# Altium PCB D73-V1.2 交通灯系统.PcbDoc (part 1 of 3)
Units mm, origin at the board's own origin, x right, y up, seen from the top; angles counter-clockwise.
Board outline 234.25 x 96.25 mm, 2 copper layers (TopLayer, BottomLayer); 84 components, 157 nets, 428 pads, 59 vias.
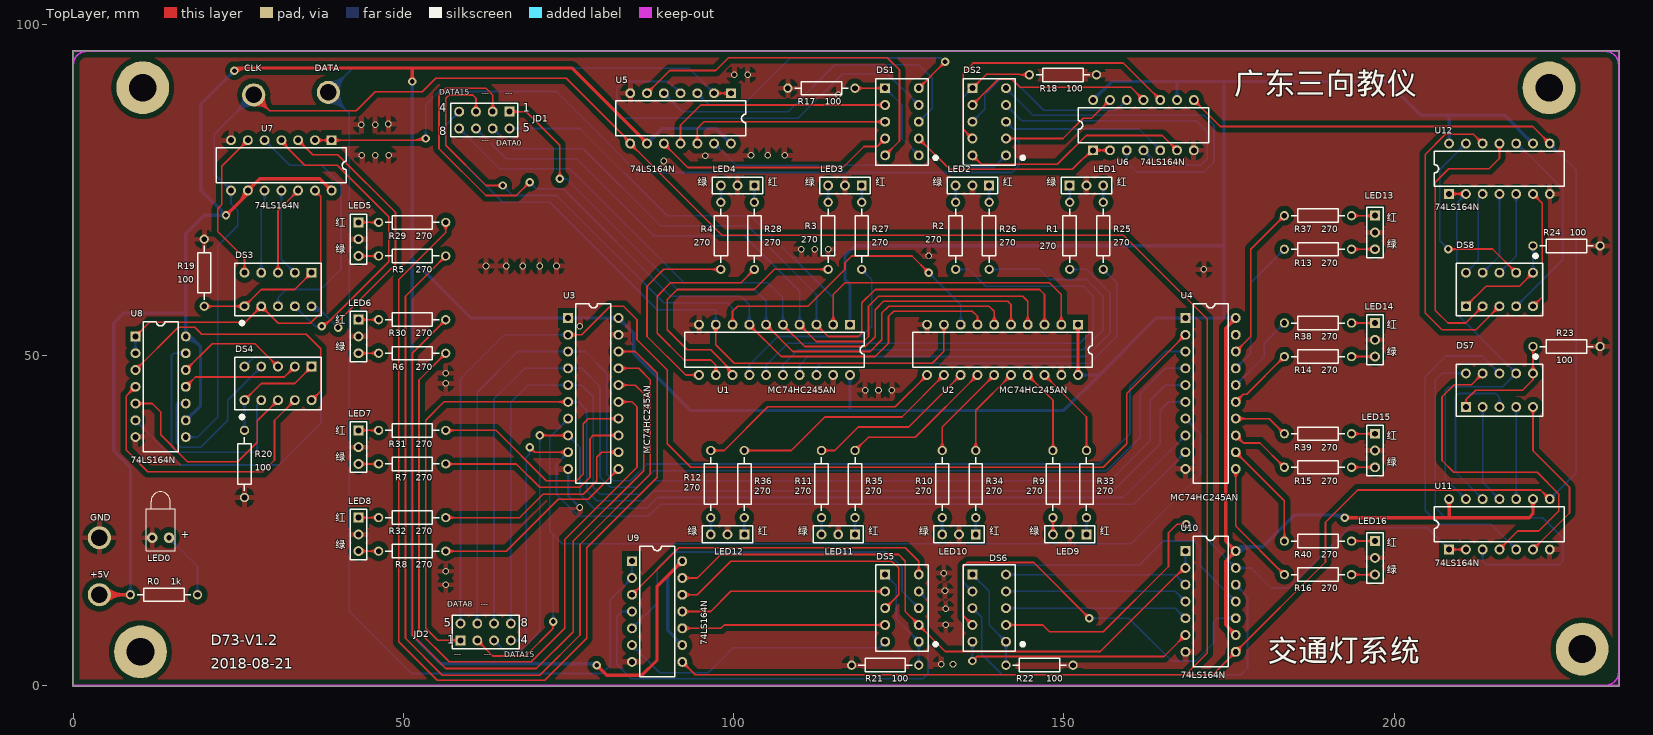
[diagram p0: TopLayer view]
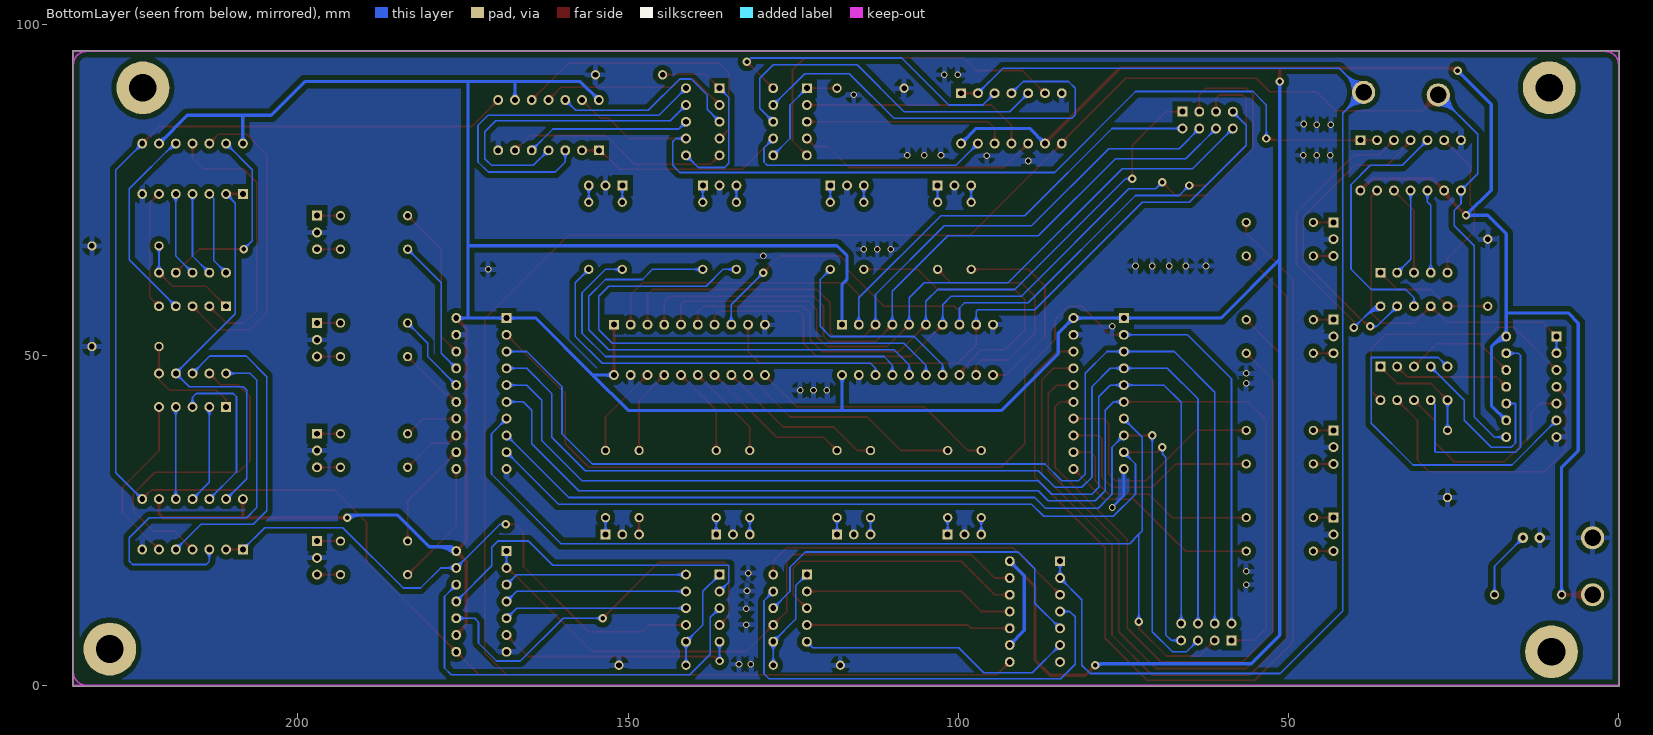
[diagram p1: BottomLayer view, seen from below]

## Layer stack, top to bottom
TopLayer: signal copper 0.0356
Dielectric: dielectric 0.32, FR-4, Dk 4.8
BottomLayer: signal copper 0.0356

## Board outline
-0.127,0 -0.127,96 cw(c0,96) 0,96.127 234,96.127 cw(c234,96) 234.127,96 234.127,0 cw(c234,0) 234,-0.127 0,-0.127 cw(c0,0)

## Design rules (kind name [scope] priority, off if disabled: settings)
Clearance [All] p1: gap=0.4
FabricationTestPointUsage TestPointUsage [All] p1: valid=0 allowmultiple=FALSE
FabricationTestpoint Testpoint [All] p1: side=3 testpointundercomponent=TRUE minsize=1.016 maxsize=2.54 preferedsize=1.524 minholesize=0.508 maxholesize=1.016 preferedholesize=0.813 testpointgrid=0.025 allowsidetop=TRUE allowsidebottom=TRUE usegrid=TRUE gridtolerance=0
PolygonConnect [All] p1: connectstyle=Relief reliefconductorwidth=0.8 reliefentries=4 polygonreliefangle="90 Angle"
RoutingPriority [All] p1: routingpriority=4
RoutingVias [All] p1: holewidth=0.711 width=1.27 viastyle="Through Hole" minholewidth=0.711 minwidth=1.27 maxholewidth=0.711 maxwidth=1.27
SilkscreenOverComponentPads [All] p1: minsilkscreentomaskgap=0.254
SolderMaskExpansion [All] p1: expansion=0.102
Width Width_2 [InNet('GND')] p1: maxlimit=5 minlimit=0.354 preferedwidth=0.8
Width Width_1 [InNet('VCC')] p2: maxlimit=5 minlimit=0.354 preferedwidth=0.5
Width [All] p3: maxlimit=1 minlimit=0.254 preferedwidth=0.254
24 further rules are at their usual default settings.

## Classes and differential pairs
net class "New Class": DAT0 DAT1 DAT2 DAT3 DAT4 DAT5 DAT6 DAT7 DAT8 DAT9 DAT10 DAT11 DAT12 DAT13 DAT14 DAT15 NetCLK_1 NetDATA_1 NetDS1_1 NetDS1_2 NetDS1_3 NetDS1_4 NetDS1_5 NetDS1_7 NetDS1_8 NetDS1_9 NetDS1_10 NetDS2_1 NetDS2_2 NetDS2_3 NetDS2_4 NetDS2_5 NetDS2_7 NetDS2_8 NetDS2_9 NetDS2_10 NetDS3_1 NetDS3_2 NetDS3_3 NetDS3_4 NetDS3_5 NetDS3_7 NetDS3_8 NetDS3_9 NetDS3_10 NetDS4_1 NetDS4_2 NetDS4_3 NetDS4_4 NetDS4_5 NetDS4_7 NetDS4_8 NetDS4_9 NetDS4_10 NetDS5_1 NetDS5_2 NetDS5_3 NetDS5_4 NetDS5_5 NetDS5_7 NetDS5_8 NetDS5_9 NetDS5_10 NetDS6_1 NetDS6_2 NetDS6_3 NetDS6_4 NetDS6_5 NetDS6_7 NetDS6_8 NetDS6_9 NetDS6_10 NetDS7_1 NetDS7_2 NetDS7_3 NetDS7_4 NetDS7_5 NetDS7_7 NetDS7_8 NetDS7_9 NetDS7_10 NetDS8_1 NetDS8_2 NetDS8_3 NetDS8_4 NetDS8_5 NetDS8_7 NetDS8_8 NetDS8_9 NetDS8_10 NetLED0_1 NetLED1_1 NetLED1_3 NetLED2_1 NetLED2_3 NetLED3_1 NetLED3_3 NetLED4_1 NetLED4_3 NetLED5_1 NetLED5_3 NetLED6_1 NetLED6_3 NetLED7_1 NetLED7_3 NetLED8_1 NetLED8_3 NetLED9_1 NetLED9_3 NetLED10_1 NetLED10_3 NetLED11_1 NetLED11_3 NetLED12_1 NetLED12_3 NetLED13_1 NetLED13_3 NetLED14_1 NetLED14_3 NetLED15_1 NetLED15_3 NetLED16_1 NetLED16_3 NetR1_1 NetR2_1 NetR3_1 NetR4_1 NetR5_1 NetR6_1 NetR7_1 NetR8_1 NetR9_1 NetR10_1 NetR11_1 NetR12_1 NetR13_1 NetR14_1 NetR15_1 NetR16_1 NetR25_1 NetR26_1 NetR27_1 NetR28_1 NetR29_2 NetR30_2 NetR31_2 NetR32_2 NetR33_1 NetR34_1 NetR35_1 NetR36_1 NetR37_1 NetR38_1 NetR39_1 NetR40_1 VCC
net class POWER: GND VCC
component class traffic: +5V CLK DATA DS1 DS2 DS3 DS4 DS5 DS6 DS7 DS8 GND JD1 JD2 LED0 LED1 LED2 LED3 LED4 LED5 LED6 LED7 LED8 LED9 LED10 LED11 LED12 LED13 LED14 LED15 LED16 R0 R1 R2 R3 R4 R5 R6 R7 R8 R9 R10 R11 R12 R13 R14 R15 R16 R17 R18 R19 R20 R21 R22 R23 R24 U1 U2 U3 U4 U5 U6 U7 U8 U9 U10 U11 U12

## Components (designator, comment, footprint, x,y, rotation, side; value= is the part's Value field where it differs from the comment)
+5V "DZ" DZ 4.064,13.716 r0 top (schematic designator +5)
CLK "DZ" DZ 27.432,89.408 r0 top
DATA "DZ" DZ 38.608,89.916 r90 top
DS1 "Dpy Red-CA" LEDDIP-10 125.476,85.344 r0 top
DS2 "Dpy Red-CA" LEDDIP-10 138.684,85.344 r0 top
DS3 "Dpy Red-CA" LEDDIP-10 30.988,59.944 r270 top
DS4 "Dpy Red-CA" LEDDIP-10 30.988,45.72 r270 top
DS5 "Dpy Red-CA" LEDDIP-10 125.476,11.684 r0 top
DS6 "Dpy Red-CA" LEDDIP-10 138.684,11.684 r0 top
DS7 "Dpy Red-CA" LEDDIP-10 215.954,44.704 r90 top
DS8 "Dpy Red-CA" LEDDIP-10 215.954,59.944 r90 top
GND "DZ" DZ 4.064,22.352 r0 top
JD1 "Header 4X2A" HDR2X4_CEN 66.04,86.868 r180 top
JD2 "Header 4X2A" HDR2X4_CEN 58.623,6.807 r0 top
LED0 "LED1" LED-1 13.208,22.352 r90 top
LED1 "LED0" HDR1X3 150.876,75.692 r0 top
LED2 "LED0" HDR1X3 138.684,75.692 r180 top
LED3 "LED0" HDR1X3 119.38,75.692 r180 top
LED4 "LED0" HDR1X3 103.124,75.692 r180 top
LED5 "LED0" HDR1X3 43.18,70.104 r270 top
LED6 "LED0" HDR1X3 43.18,55.372 r270 top
LED7 "LED0" HDR1X3 43.18,38.608 r270 top
LED8 "LED0" HDR1X3 43.18,25.4 r270 top
LED9 "LED0" HDR1X3 153.416,22.86 r180 top
LED10 "LED0" HDR1X3 136.652,22.86 r180 top
LED11 "LED0" HDR1X3 118.364,22.86 r180 top
LED12 "LED0" HDR1X3 101.6,22.86 r180 top
LED13 "LED0" HDR1X3 197.104,71.12 r270 top
LED14 "LED0" HDR1X3 197.104,54.864 r270 top
LED15 "LED0" HDR1X3 197.104,38.1 r270 top
LED16 "LED0" HDR1X3 197.104,21.844 r270 top
R0 "1k" AXIAL-0.4 13.716,13.716 r0 top
R1 "270" AXIAL-0.4 150.876,68.072 r90 top
R2 "270" AXIAL-0.4 133.604,68.072 r90 top
R3 "270" AXIAL-0.4 114.3,68.072 r90 top
R4 "270" AXIAL-0.4 98.044,68.072 r90 top
R5 "270" AXIAL-0.4 51.308,65.024 r180 top
R6 "270" AXIAL-0.4 51.308,50.292 r180 top
R7 "270" AXIAL-0.4 51.308,33.528 r180 top
R8 "270" AXIAL-0.4 51.308,20.32 r180 top
R9 "270" AXIAL-0.4 148.336,30.48 r270 top
R10 "270" AXIAL-0.4 131.572,30.48 r270 top
R11 "270" AXIAL-0.4 113.284,30.48 r270 top
R12 "270" AXIAL-0.4 96.52,30.48 r270 top
R13 "270" AXIAL-0.4 188.468,66.04 r0 top
R14 "270" AXIAL-0.4 188.468,49.784 r0 top
R15 "270" AXIAL-0.4 188.468,33.02 r0 top
R16 "270" AXIAL-0.4 188.468,16.764 r0 top
R17 "100" AXIAL-0.4 113.284,90.424 r180 top
R18 "100" AXIAL-0.4 149.86,92.456 r0 top
R19 "100" AXIAL-0.4 19.812,62.484 r90 top
R20 "100" AXIAL-0.4 25.908,33.528 r270 top
R21 "100" AXIAL-0.4 122.936,3.048 r180 top
R22 "100" AXIAL-0.4 146.304,3.048 r0 top
R23 "100" AXIAL-0.4 226.114,51.308 r0 top
R24 "100" AXIAL-0.4 226.114,66.548 r0 top
R25 "270" AXIAL-0.4 155.956,68.072 r90 top (schematic designator R4)
R26 "270" AXIAL-0.4 138.684,68.072 r90 top (schematic designator R4)
R27 "270" AXIAL-0.4 119.38,68.072 r90 top (schematic designator R4)
R28 "270" AXIAL-0.4 103.124,68.072 r90 top (schematic designator R4)
R29 "270" AXIAL-0.4 51.308,70.104 r0 top (schematic designator R13)
R30 "270" AXIAL-0.4 51.308,55.372 r0 top (schematic designator R13)
R31 "270" AXIAL-0.4 51.308,38.608 r0 top (schematic designator R13)
R32 "270" AXIAL-0.4 51.308,25.4 r0 top (schematic designator R13)
R33 "270" AXIAL-0.4 153.416,30.48 r270 top (schematic designator R9)
R34 "270" AXIAL-0.4 136.652,30.48 r270 top (schematic designator R9)
R35 "270" AXIAL-0.4 118.364,30.48 r270 top (schematic designator R9)
R36 "270" AXIAL-0.4 101.6,30.48 r270 top (schematic designator R9)
R37 "270" AXIAL-0.4 188.468,71.12 r0 top (schematic designator R13)
R38 "270" AXIAL-0.4 188.468,54.864 r0 top (schematic designator R13)
R39 "270" AXIAL-0.4 188.468,38.1 r0 top (schematic designator R13)
R40 "270" AXIAL-0.4 188.468,21.844 r0 top (schematic designator R13)
U1 "MC74HC245AN" 738-03 106.172,50.8 r180 top
U2 "MC74HC245AN" 738-03 140.716,50.8 r180 top
U3 "MC74HC245AN" 738-03 78.74,44.196 r270 top
U4 "MC74HC245AN" 738-03 172.212,44.196 r270 top
U5 "74LS164N" N14A 91.948,85.852 r180 top
U6 "74LS164N" N14A 162.052,84.836 r0 top
U7 "74LS164N" N14A 31.496,78.74 r180 top
U8 "74LS164N" N14A 13.208,45.212 r270 top
U9 "74LS164N" N14A 88.392,11.176 r270 top
U10 "74LS164N" N14A 172.212,12.7 r270 top
U11 "74LS164N" N14A 215.954,24.384 r0 top
U12 "74LS164N" N14A 215.954,78.232 r0 top

## Footprints (in the part's own frame and the unit in brackets; to place one, negate y for a bottom-side part, rotate by r counter-clockwise, add the part's x,y. Pads: shape width x height; smd on the part's side, far side on the other; paste and mask are expansions set on the pad)
738-03 [mm] "DIP; 20 Leads; Row Spacing 7.62 mm; Pitch 2.54 mm"
  rect 1.5x1.5 hole 0.9: 1(-11.43,-3.81)
  round 1.5 hole 0.9: 2(-8.89,-3.81) 3(-6.35,-3.81) 4(-3.81,-3.81) 5(-1.27,-3.81) 6(1.27,-3.81) 7(3.81,-3.81) 8(6.35,-3.81) 9(8.89,-3.81) 10(11.43,-3.81) 11(11.43,3.81) 12(8.89,3.81) 13(6.35,3.81) 14(3.81,3.81) 15(1.27,3.81) 16(-1.27,3.81) 17(-3.81,3.81) 18(-6.35,3.81) 19(-8.89,3.81) 20(-11.43,3.81)
  silkscreen extent -13.6,-2.65 13.6,2.65
AXIAL-0.4 [mm] "Resistor; 2 Leads"
  round 1.4 hole 0.85: 1(-5.08,0) 2(5.08,0)
  silkscreen extent -4.06,-1.02 4.06,1.02
DZ [mm] "DZ"
  round 3.5 hole 2.5: 1(-0.127,0)
HDR1X3 [mm] "Connector; Header; 3 Position"
  rect 1.5x1.5 hole 0.9: 1(0,0)
  round 1.5 hole 0.9: 2(2.54,0) 3(5.08,0)
  silkscreen extent -1.27,-1.27 6.35,1.27
HDR2X4_CEN [mm] "Connector; Header; 4x2 Position"
  rect 1.5x1.5 hole 0.9: 1(0,0)
  round 1.5 hole 0.9: 2(2.54,0) 3(5.08,0) 4(7.62,0) 5(0,2.54) 6(2.54,2.54) 7(5.08,2.54) 8(7.62,2.54)
  silkscreen extent -1.27,-1.27 8.89,3.81
LED-1 [mm] "Typical RED GaAs LED; 2 Leads"
  round 1.6 hole 0.8: 1(0,-1.27) 2(0,1.27)
  silkscreen extent -2,-2.2 6.95,2.2
LEDDIP-10 [mm] "LED, 7-Segment Display, 7.62 mm, RHD; 10 Leads; Row Space 5.08 mm; Pitch 2.54 mm"
  rect 1.5x1.5 hole 0.9: 1(-2.54,5.08)
  round 1.5 hole 0.9: 2(-2.54,2.54) 3(-2.54,0) 4(-2.54,-2.54) 5(-2.54,-5.08) 6(2.54,-5.08) 7(2.54,-2.54) 8(2.54,0) 9(2.54,2.54) 10(2.54,5.08)
  silkscreen extent -3.95,-6.55 5.34,6.55
N14A [mm] "DIP; 14 Leads; Row Spacing 7.62 mm; Pitch 2.54 mm"
  rect 1.5x1.5 hole 0.9: 1(-7.62,-3.81)
  round 1.5 hole 0.9: 2(-5.08,-3.81) 3(-2.54,-3.81) 4(0,-3.81) 5(2.54,-3.81) 6(5.08,-3.81) 7(7.62,-3.81) 8(7.62,3.81) 9(5.08,3.81) 10(2.54,3.81) 11(0,3.81) 12(-2.54,3.81) 13(-5.08,3.81) 14(-7.62,3.81)
  silkscreen extent -9.85,-2.65 9.85,2.65

## Part data
DS1 DS2 DS3 DS4 DS5 DS6 DS7 DS8: "7.62 mm Black Surface HER 7-Segment Display: CA, RH DP"
JD1 JD2: "Header, 4-Pin, Dual row"
LED0: "Typical RED GaAs LED"
LED1 LED2 LED3 LED4 LED5 LED6 LED7 LED8 LED9 LED10 LED11 LED12 LED13 LED14 LED15 LED16: "Typical INFRARED GaAs LED"
R0 R1 R2 R3 R4 R5 R6 R7 R8 R9 R10 R11 R12 R13 R14 R15 R16 R17 R18 R19 R20 R21 R22 R23 R24 R25 R26 R27 R28 R29 R30 R31 R32 R33 R34 R35 R36 R37 R38 R39 R40: library part Res2, "Resistor"
U1 U2 U3 U4: "Octal 3-State Non-Inverting Bus Transceiver"
U5 U6 U7 U8 U9 U10 U11 U12: library part DM74LS164N, "8-Bit Serial In/Parallel Out Shift Register"

## Free pads (board coordinates)
  round 8 hole 4.2: 35(10.16,5.08) 36(10.5,90.5) 37(223.483,90.489) 38(228.483,5.489)

## Via types
v1: diameter 1, hole 0.7, TopLayer to BottomLayer, 39 vias
v2: diameter 1.27, hole 0.711, TopLayer to BottomLayer, 20 vias

## Nets (pads, with @x,y where several pads share a name; then routed paths per layer and width w, separated by ;. In a path a pad name is that pad's centre, name@x,y a point inside that pad or via, vN(x,y) a via of type N, cw(c..) or ccw(c..) an arc to the next point about the centre after c; other vN are vias at no path point)
DAT0: JD1.5 U1.2 U2.2 | length 123.9
  TopLayer w0.254: U1.2@114.621,55.051 ccw(c113.558,56.114) 115.062,56.114 ccw(c116.566,56.114) U1.2@115.503,55.051 ; U1.2@114.801,54.871 ccw(c114.171,55.501) 115.062,55.501 ccw(c115.953,55.501) U1.2@115.323,54.871 ; U1.2@115.062,54.61 115.062,59.182 116.84,60.96 147.828,60.96 149.606,59.182 U2.2@149.606,54.61 ; U2.2@149.165,55.051 ccw(c148.102,56.114) 149.606,56.114 ccw(c151.11,56.114) U2.2@150.047,55.051 ; U2.2@149.345,54.871 ccw(c148.715,55.501) 149.606,55.501 ccw(c150.497,55.501) U2.2@149.867,54.871
  BottomLayer w0.254: JD1.5@66.04,84.328 76.708,84.328 89.916,71.12 102.616,71.12 115.062,58.674 U1.2@115.062,54.61 ; JD1.5@66.301,84.067 cw(c66.931,83.437) 66.931,84.328 cw(c66.931,85.219) JD1.5@66.301,84.589 ; JD1.5@66.481,83.887 cw(c67.544,82.824) 67.544,84.328 cw(c67.544,85.832) JD1.5@66.481,84.769 ; U1.2@114.621,55.051 ccw(c113.558,56.114) 115.062,56.114 ccw(c116.566,56.114) U1.2@115.503,55.051 ; U1.2@114.801,54.871 ccw(c114.171,55.501) 115.062,55.501 ccw(c115.953,55.501) U1.2@115.323,54.871
DAT1: JD1.6 U1.3 U2.3 | length 124.8
  TopLayer w0.254: U1.3@112.522,53.987 cw(c112.522,52.483) 113.586,53.546 cw(c114.649,54.61) U1.3@113.145,54.61 ; U1.3@112.522,54.241 cw(c112.522,53.35) 113.152,53.98 cw(c113.782,54.61) U1.3@112.891,54.61 ; U1.3@112.522,54.61 114.3,52.832 118.872,52.832 119.38,53.34 119.38,57.912 121.412,59.944 146.304,59.944 147.066,59.182 U2.3@147.066,54.61 ; U2.3@146.625,55.051 ccw(c145.562,56.114) 147.066,56.114 ccw(c148.57,56.114) U2.3@147.507,55.051 ; U2.3@146.805,54.871 ccw(c146.175,55.501) 147.066,55.501 ccw(c147.957,55.501) U2.3@147.327,54.871
  BottomLayer w0.254: JD1.6@63.5,83.705 cw(c63.5,82.201) 64.564,83.264 cw(c65.627,84.328) JD1.6@64.123,84.328 ; JD1.6@63.5,83.959 cw(c63.5,83.068) 64.13,83.698 cw(c64.76,84.328) JD1.6@63.869,84.328 ; JD1.6@63.5,84.328 66.548,81.28 77.216,81.28 88.9,69.596 102.108,69.596 112.522,59.182 U1.3@112.522,54.61 ; U1.3@112.081,55.051 ccw(c111.018,56.114) 112.522,56.114 ccw(c114.026,56.114) U1.3@112.963,55.051 ; U1.3@112.261,54.871 ccw(c111.631,55.501) 112.522,55.501 ccw(c113.413,55.501) U1.3@112.783,54.871
DAT2: JD1.7 U1.4 U2.4 | length 124.3
  TopLayer w0.254: U1.4@109.982,53.987 cw(c109.982,52.483) 111.046,53.546 cw(c112.109,54.61) U1.4@110.605,54.61 ; U1.4@109.982,54.241 cw(c109.982,53.35) 110.612,53.98 cw(c111.242,54.61) U1.4@110.351,54.61 ; U1.4@109.982,54.61 112.514,52.078 119.642,52.078 120.396,52.832 120.396,57.404 121.92,58.928 143.764,58.928 144.526,58.166 U2.4@144.526,54.61 ; U2.4@144.085,55.051 ccw(c143.022,56.114) 144.526,56.114 ccw(c146.03,56.114) U2.4@144.967,55.051 ; U2.4@144.265,54.871 ccw(c143.635,55.501) 144.526,55.501 ccw(c145.417,55.501) U2.4@144.787,54.871
  BottomLayer w0.254: JD1.7@60.96,83.705 cw(c60.96,82.201) 62.024,83.264 cw(c63.087,84.328) JD1.7@61.583,84.328 ; JD1.7@60.96,83.959 cw(c60.96,83.068) 61.59,83.698 cw(c62.22,84.328) JD1.7@61.329,84.328 ; JD1.7@60.96,84.328 65.532,79.756 76.2,79.756 87.884,68.072 101.6,68.072 109.982,59.69 U1.4@109.982,54.61 ; U1.4@109.541,55.051 ccw(c108.478,56.114) 109.982,56.114 ccw(c111.486,56.114) U1.4@110.423,55.051 ; U1.4@109.721,54.871 ccw(c109.091,55.501) 109.982,55.501 ccw(c110.873,55.501) U1.4@110.243,54.871
DAT3: JD1.8 U1.5 U2.5 | length 123.2
  TopLayer w0.254: U1.5@107.442,53.987 cw(c107.442,52.483) 108.506,53.546 cw(c109.569,54.61) U1.5@108.065,54.61 ; U1.5@107.442,54.241 cw(c107.442,53.35) 108.072,53.98 cw(c108.702,54.61) U1.5@107.811,54.61 ; U1.5@107.442,54.61 110.744,51.308 119.938,51.308 121.412,52.782 121.412,56.896 122.69,58.174 141.47,58.174 141.986,57.658 U2.5@141.986,54.61 ; U2.5@141.545,55.051 ccw(c140.482,56.114) 141.986,56.114 ccw(c143.49,56.114) U2.5@142.427,55.051 ; U2.5@141.725,54.871 ccw(c141.095,55.501) 141.986,55.501 ccw(c142.877,55.501) U2.5@142.247,54.871
  BottomLayer w0.254: JD1.8@58.42,83.705 cw(c58.42,82.201) 59.484,83.264 cw(c60.547,84.328) JD1.8@59.043,84.328 ; JD1.8@58.42,83.959 cw(c58.42,83.068) 59.05,83.698 cw(c59.68,84.328) JD1.8@58.789,84.328 ; JD1.8@58.42,84.328 64.516,78.232 75.184,78.232 92.456,60.96 105.156,60.96 107.442,58.674 U1.5@107.442,54.61 ; U1.5@107.001,55.051 ccw(c105.938,56.114) 107.442,56.114 ccw(c108.946,56.114) U1.5@107.883,55.051 ; U1.5@107.181,54.871 ccw(c106.551,55.501) 107.442,55.501 ccw(c108.333,55.501) U1.5@107.703,54.871
DAT4: JD1.1 U1.6 U2.6 | length 119.5
  TopLayer w0.254: JD1.1@66.04,86.868 68.58,86.868 73.66,81.788 v2(73.66,76.708) ; JD1.1@66.301,86.607 cw(c66.931,85.977) 66.931,86.868 cw(c66.931,87.759) JD1.1@66.301,87.129 ; JD1.1@66.481,86.427 cw(c67.544,85.364) 67.544,86.868 cw(c67.544,88.372) JD1.1@66.481,87.309 ; v2@73.301,77.067 ccw(c72.434,77.934) 73.66,77.934 ccw(c74.886,77.934) v2@74.019,77.067 ; U1.6@104.902,53.987 cw(c104.902,52.483) 105.966,53.546 cw(c107.029,54.61) U1.6@105.525,54.61 ; U1.6@104.902,54.241 cw(c104.902,53.35) 105.532,53.98 cw(c106.162,54.61) U1.6@105.271,54.61 ; U1.6@104.902,54.61 108.958,50.554 120.658,50.554 122.428,52.324 122.428,56.388 123.46,57.42 138.668,57.42 139.446,56.642 U2.6@139.446,54.61 ; U2.6@139.005,55.051 ccw(c137.942,56.114) 139.446,56.114 ccw(c140.95,56.114) U2.6@139.887,55.051 ; U2.6@139.185,54.871 ccw(c138.555,55.501) 139.446,55.501 ccw(c140.337,55.501) U2.6@139.707,54.871
  BottomLayer w0.254: v2(73.66,76.708) 74.676,76.708 ; v2@74.066,76.403 cw(c74.676,75.946) 74.676,76.708 ; v2@74.066,77.013 ccw(c74.676,77.47) 74.676,76.708 ; U1.6@104.461,55.051 ccw(c103.398,56.114) 104.902,56.114 ccw(c106.406,56.114) U1.6@105.343,55.051 ; U1.6@104.641,54.871 ccw(c104.011,55.501) 104.902,55.501 ccw(c105.793,55.501) U1.6@105.163,54.871 ; U1.6@104.902,54.61 104.902,58.166 103.124,59.944 91.44,59.944 74.676,76.708
DAT5: JD1.2 U1.7 U2.7 | length 142.6
  TopLayer w0.254: JD1.2@63.059,87.309 ccw(c61.996,88.372) 63.5,88.372 ccw(c65.004,88.372) JD1.2@63.941,87.309 ; JD1.2@63.239,87.129 ccw(c62.609,87.759) 63.5,87.759 ccw(c64.391,87.759) JD1.2@63.761,87.129 ; JD1.2@63.5,86.868 63.5,89.408 62.484,90.424 56.388,90.424 55.372,89.408 55.372,81.28 62.484,74.168 67.056,74.168 v2(69.088,76.2) ; v2@68.58,76.2 cw(c67.354,76.2) 68.221,75.333 cw(c69.088,74.466) v2@69.088,75.692 ; U1.7@102.362,53.987 cw(c102.362,52.483) 103.426,53.546 cw(c104.489,54.61) U1.7@102.985,54.61 ; U1.7@102.362,54.241 cw(c102.362,53.35) 102.992,53.98 cw(c103.622,54.61) U1.7@102.731,54.61 ; U1.7@102.362,54.61 107.172,49.8 121.428,49.8 123.444,51.816 123.444,55.88 124.23,56.666 136.144,56.666 136.906,55.904 ; U2.7@136.517,55.097 ccw(c135.874,55.904) 136.906,55.904 ; U2.7@136.676,54.898 ccw(c136.295,55.376) 136.906,55.376 ccw(c137.517,55.376) U2.7@137.136,54.898 ; U2.7@136.906,54.61 136.906,55.904 ; U2.7@137.295,55.097 cw(c137.938,55.904) 136.906,55.904
  BottomLayer w0.254: v2@69.088,75.692 cw(c69.088,74.466) 69.955,75.333 cw(c70.822,76.2) v2@69.596,76.2 ; v2(69.088,76.2) 70.104,75.184 74.168,75.184 90.424,58.928 101.092,58.928 102.362,57.658 U1.7@102.362,54.61 ; U1.7@101.921,55.051 ccw(c100.858,56.114) 102.362,56.114 ccw(c103.866,56.114) U1.7@102.803,55.051 ; U1.7@102.101,54.871 ccw(c101.471,55.501) 102.362,55.501 ccw(c103.253,55.501) U1.7@102.623,54.871
DAT6: JD1.3 U1.8 U2.8 | length 139.8
  TopLayer w0.254: JD1.3@60.519,87.309 ccw(c59.456,88.372) 60.96,88.372 ccw(c62.464,88.372) JD1.3@61.401,87.309 ; JD1.3@60.699,87.129 ccw(c60.069,87.759) 60.96,87.759 ccw(c61.851,87.759) JD1.3@61.221,87.129 ; JD1.3@60.96,86.868 60.96,88.9 60.452,89.408 56.896,89.408 56.388,88.9 56.388,81.788 62.484,75.692 v2(65.024,75.692) ; v2@64.665,75.333 ccw(c63.798,74.466) 63.798,75.692 ccw(c63.798,76.918) v2@64.665,76.051 ; U1.8@99.381,55.051 ccw(c98.318,56.114) 99.822,56.114 ccw(c101.326,56.114) U1.8@100.263,55.051 ; U1.8@99.561,54.871 ccw(c98.931,55.501) 99.822,55.501 ccw(c100.713,55.501) U1.8@100.083,54.871 ; U1.8@99.822,54.61 99.822,56.642 100.584,57.404 111.252,57.404 116.84,62.992 116.84,64.008 117.856,65.024 127,65.024 v2(129.54,62.484) ; v2@129.032,62.484 ccw(c127.806,62.484) 128.673,63.351 ccw(c129.54,64.218) v2@129.54,62.992
  BottomLayer w0.254: v2@65.024,75.184 cw(c65.024,73.958) 65.891,74.825 cw(c66.758,75.692) v2@65.532,75.692 ; v2(65.024,75.692) 66.548,74.168 73.152,74.168 89.408,57.912 99.06,57.912 99.822,57.15 U1.8@99.822,54.61 ; U1.8@99.381,55.051 ccw(c98.318,56.114) 99.822,56.114 ccw(c101.326,56.114) U1.8@100.263,55.051 ; U1.8@99.561,54.871 ccw(c98.931,55.501) 99.822,55.501 ccw(c100.713,55.501) U1.8@100.083,54.871 ; v2@129.54,61.976 cw(c129.54,60.75) 130.407,61.617 cw(c131.274,62.484) v2@130.048,62.484 ; v2(129.54,62.484) 134.366,57.658 U2.8@134.366,54.61 ; U2.8@133.925,55.051 ccw(c132.862,56.114) 134.366,56.114 ccw(c135.87,56.114) U2.8@134.807,55.051 ; U2.8@134.105,54.871 ccw(c133.475,55.501) 134.366,55.501 ccw(c135.257,55.501) U2.8@134.627,54.871
DAT7: JD1.4 U1.9 U2.9 | length 117.9
  TopLayer w0.254: U1.9@96.841,54.169 cw(c95.778,53.106) 97.282,53.106 cw(c98.786,53.106) U1.9@97.723,54.169 ; U1.9@97.021,54.349 cw(c96.391,53.719) 97.282,53.719 cw(c98.173,53.719) U1.9@97.543,54.349 ; U1.9@97.282,54.61 97.282,51.562 100.076,48.768 130.048,48.768 131.826,50.546 U2.9@131.826,54.61 ; U2.9@131.385,54.169 cw(c130.322,53.106) 131.826,53.106 cw(c133.33,53.106) U2.9@132.267,54.169 ; U2.9@131.565,54.349 cw(c130.935,53.719) 131.826,53.719 cw(c132.717,53.719) U2.9@132.087,54.349